# KiCad board tkl_keyboard.kicad_pcb (continued)
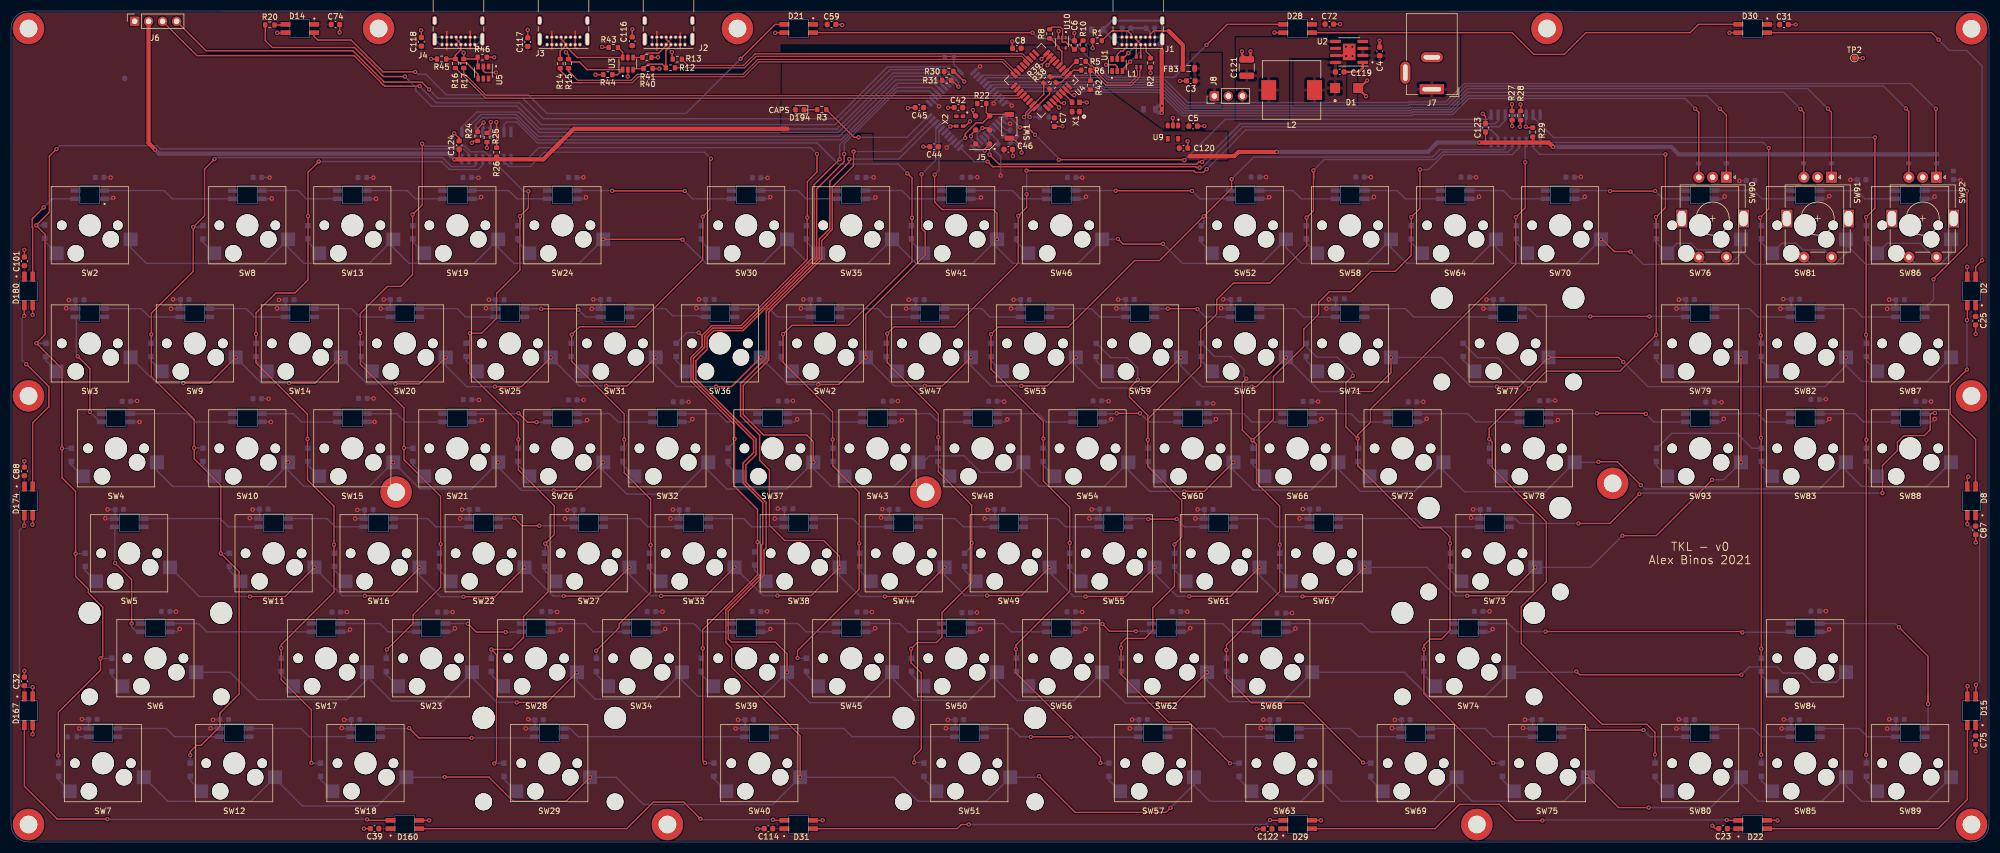
[diagram p0: board, top side]
## Routing (per net, layer and track width the routed paths; a pad name or vN(x,y) marks a point on that pad's centre or on a via; arc(x,y) is an arc through that point) (continued)
Net-(D156-Pad2): length 14.5
  Top w0.254: v1(197.97,39.57) 199.29,38.25 v1(204.01,38.25)
  Bottom w0.254: v1(197.97,39.57) 197.9,39.64 D156.2 ; v1(204.01,38.25) 206.85,38.25 D163.4
Net-(D157-Pad4): length 14.5
  Bottom w0.25: D164.2 197.49,95.29 195.99,96.79 D157.4
Net-(D158-Pad4): length 14.5
  Top w0.254: v1(211.44,58.62) 211.41,58.59 v1(206.28,58.59)
  Bottom w0.254: D165.2 212.87,57.19 v1(211.44,58.62) ; v1(206.28,58.59) 206.18,58.69 202.62,58.69
Net-(D159-Pad4): length 19.2
  Bottom w0.25: D166.2 219.84,19.09 218.34,20.59 D159.4
Net-(D160-Pad2): length 80.1
  Top w0.254: D160.2 64.77,3.93 v1(64.59,4.1) ; v1(17.5,4.15) 8.38,4.15 2.43,10.11 D167.4
  Bottom w0.254: v1(64.59,4.1) 17.55,4.1 v1(17.5,4.15)
Net-(D160-Pad4): length 69.6
  Top w0.254: v1(125.05,4.2) 122.01,7.25 116.5,7.25 111.68,2.43 D160.4 ; 140.27,3.93 138.31,3.93 v1(138.21,4.03)
  Bottom w0.254: v1(138.21,4.03) 125.23,4.03 v1(125.05,4.2)
Net-(D161-Pad2): length 14.5
  Bottom w0.25: D161.2 251.41,118.22 252.91,116.72 D168.4
Net-(D162-Pad2): length 14.5
  Bottom w0.25: D169.4 225.07,76.24 223.57,77.74 D162.2
Net-(D163-Pad2): length 14.5
  Bottom w0.25: D170.4 221.29,38.14 219.79,39.64 D163.2
Net-(D164-Pad4): length 14.5
  Top w0.254: v1(215.2,96.71) 215.11,96.8 v1(209.81,96.8)
  Bottom w0.254: v1(209.81,96.8) 209.8,96.79 D164.4 ; v1(215.2,96.71) 216.62,95.29 D171.2
Net-(D165-Pad4): length 14.5
  Bottom w0.25: D172.2 229.48,57.19 227.98,58.69 D165.4
Net-(D166-Pad4): length 19.2
  Bottom w0.25: D173.2 244.4,19.09 242.9,20.59 D166.4
Net-(D167-Pad2): length 35.3
  Top w0.25: v2(2.4,57.43) 2.4,59.28 D174.4 ; v2(3.93,28.09) 3.93,28.09 D167.2
  Bottom w0.25: v2(3.93,28.09) 2.13,28.09 1.51,28.71 1.51,56.54 v2(2.4,57.43)
Net-(D168-Pad2): length 14.5
  Bottom w0.25: D168.2 270.64,118.22 272.14,116.72 D175.4
Net-(D169-Pad2): length 14.5
  Bottom w0.25: D169.2 243.03,77.74 244.53,76.24 D176.4
Net-(D170-Pad2): length 31.1
  Bottom w0.25: D177.4 246.51,38.14 245.01,39.64 D170.2
Net-(D171-Pad4): length 14.5
  Bottom w0.25: D171.4 232.94,96.79 234.44,95.29 D6.2
Net-(D172-Pad4): length 26.4
  Bottom w0.25: 240.72,58.69 254.75,58.69 256.25,57.19 D178.2
Net-(D173-Pad4): length 19.2
  Bottom w0.25: D173.4 267.36,20.59 268.86,19.09 D179.2
Net-(D174-Pad2): length 36.3
  Top w0.254: D174.2 3.93,76.05 6.86,78.99 6.86,82.66 2.8,86.71 v1(2.76,86.71) ; D180.4 2.38,97.37 v1(2.38,95.46)
  Bottom w0.254: v1(2.76,86.71) 1.99,87.49 1.99,95.07 v1(2.38,95.46)
Net-(D175-Pad2): length 20.9
  Top w0.254: v1(298.22,118.15) 298.18,118.12 v1(290.06,118.12)
  Bottom w0.254: v1(290.06,118.12) 289.95,118.22 D175.2 ; v1(298.22,118.15) 299.65,116.72 D181.4
Net-(D176-Pad2): length 19.2
  Bottom w0.25: 273.62,76.24 265.71,76.24 264.21,77.74 D176.2
Net-(D177-Pad2): length 56.6
  Top w0.25: v2(314.05,38.04) 313.89,38.2 v2(278.33,38.2)
  Bottom w0.25: D177.2 271.63,39.64 273.08,38.2 v2(278.33,38.2) ; v2(314.05,38.04) 322.74,38.04 D187.4
Net-(D178-Pad4): length 93.4
  Top w0.25: v2(339.45,63.32) 339.45,68.32 342.16,71.04 342.16,72.55 343.37,73.76 347.06,73.76 348.11,74.81 348.11,77.51 348.44,77.84 v2(348.97,77.84)
  Top w0.254: v1(295.38,63.18) 290.01,57.81 v1(284.32,57.81)
  Bottom w0.25: v2(339.45,63.32) 295.22,63.32 ; D190.2 348.87,77.74 v2(348.97,77.84)
  Bottom w0.254: D178.4 272.82,58.69 273.7,57.81 v1(284.32,57.81)
Net-(D179-Pad4): length 23.2
  Top w0.254: v1(296.1,20.31) 286.03,20.31 v1(285.75,20.59)
  Bottom w0.254: D184.2 297.31,19.09 v1(296.1,20.31) ; v1(285.75,20.59) 285.75,20.59 D179.4
Net-(D181-Pad2): length 14.5
  Bottom w0.25: D181.2 316.13,118.22 317.63,116.72 D185.4
Net-(D182-Pad2): length 25.6
  Top w0.254: v1(287.67,77.81) 296.41,77.81 v1(296.53,77.69)
  Bottom w0.254: v1(287.67,77.81) 287.6,77.74 D182.2 ; v1(296.53,77.69) 297.98,76.24 D193.4
Net-(D183-Pad4): length 14.5
  Bottom w0.25: D19.2 316.84,95.29 315.34,96.79 D183.4
Net-(D184-Pad4): length 14.5
  Bottom w0.25: D184.4 315.98,20.59 317.48,19.09 D188.2
Net-(D185-Pad2): length 14.5
  Bottom w0.25: D185.2 334.77,118.22 336.27,116.72 D189.4
Net-(D186-Pad2): length 14.5
  Bottom w0.25: D190.4 335.99,76.24 334.49,77.74 D186.2
Net-(D186-Pad4): length 14.5
  Bottom w0.25: D193.2 316.79,77.74 318.29,76.24 D186.4
Net-(D187-Pad2): length 37.3
  Top w0.25: v2(342.44,38.98) 347.73,33.7 v2(347.73,25.04) 347.73,26.87
  Bottom w0.25: v2(347.73,25.04) 347.73,21.23 D191.4 ; D187.2 341.78,39.64 v2(342.44,38.98)
Net-(D188-Pad4): length 14.5
  Bottom w0.25: D191.2 336.75,19.09 335.25,20.59 D188.4
Net-(D189-Pad2): length 32.3
  Top w0.25: v1(348.72,102.13) 348.72,102.24 354.79,108.31 v1(354.79,118.18)
  Bottom w0.25: v1(354.79,118.18) 354.74,118.22 D189.2 ; D26.4 348.72,98.42 v1(348.72,102.13)
Net-(D192-Pad2): length 3
  Bottom w0.25: 300.05,66.68 298.45,68.28 D192.2
Net-(D194-Pad1): length 2.4
  Top w0.254: D194.1 146.2,132.89 R3.2
Net-(J1-PadA5): length 2.9
  Top w0.254: R2.2 206.69,142.69 205.9,143.47 205.9,144.57 J1.A5
Net-(J1-PadB5): length 6.9
  Top w0.254: J1.B5 203.21,146.56 202.55,147.22 199.65,147.22 R1.2
Net-(R8-Pad2): length 6.1
  Top w0.25: R8.2 188.51,145.85 190,144.36 U10.4 190.61,143.49 190.61,141.39 U4.4
Net-(R23-Pad1): length 3.1
  Bottom w0.254: U6.33 172.19,139.94 170.99,141.14 R23.1
Net-(R24-Pad1): length 3.9
  Top w0.254: R24.1 84.66,129.51 v1(85.73,130.58)
  Bottom w0.254: 85.62,128.84 85.73,128.94 v1(85.73,130.58)
Net-(R25-Pad1): length 4.2
  Top w0.254: v1(87.03,130.69) 87.03,129.38 R25.1
  Bottom w0.25: 86.9,128.84 86.89,128.84
  Bottom w0.254: 86.89,128.84 86.89,130.55 v1(87.03,130.69)
Net-(R26-Pad1): length 6.5
  Top w0.254: R26.1 88.09,130.6 v1(88.04,130.65)
  Bottom w0.254: v1(88.04,130.65) 88.04,128.97 88.16,128.84
Net-(R27-Pad1): length 3.1
  Top w0.254: R27.1 272.27,129.93 v1(272.28,129.92)
  Bottom w0.254: 272.3,131.91 272.28,131.89 v1(272.28,129.92)
Net-(R28-Pad1): length 3.4
  Top w0.254: v1(273.68,129.81) 273.83,129.96 R28.1
  Bottom w0.254: v1(273.68,129.81) 273.68,131.81 273.57,131.91
Net-(R29-Pad1): length 3.4
  Top w0.254: R29.1 274.93,129.66 v1(274.77,129.82)
  Bottom w0.254: 274.84,131.91 274.77,131.84 v1(274.77,129.82)
Net-(U4-Pad30): length 2.6
  Top w0.254: X1.3 192.45,134.34 U4.30
Net-(U6-Pad17): length 2.6
  Top w0.254: v1(170.39,129.87) 170.44,129.92 X2.3
  Bottom w0.254: v1(170.39,129.87) 170.38,129.87 U6.17

## Copper pours and planes (outline as drawn; the poured copper is in the pictures)
+3V3 on Top: 195.35,144.52 195.36,139.1 209.19,128.95 217.29,128.93 220.67,128.91 220.63,123.72 220.63,123.72 156.52,123.72 156.46,128.73 139.7,128.7 139.84,141.39 139.76,144.58
+5V on Top: 358.77,-0.01 0,0.02 0.03,150.82 358.8,150.79
+5V0_EXT on Top: 241.52,142.29 231.82,142.29 231.82,130.97 222.15,130.99 222.15,146.05 241.52,146.05
+5V0_USB on Top: 219.62,133.14 213.99,133.14 213.99,143.23 219.62,143.23
GND on Bottom: 358.77,-0.01 0,0.02 0.03,150.82 358.8,150.79
/Power/DCDC_IN on Top: 262.83,133.6 244.35,133.6 244.35,146.51 262.83,146.51
/Power/SW on Top: 242.18,133.6 232.61,133.6 232.61,141.95 242.18,141.95

## Text on the board
F.SilkS: CAPS | TKL - v0 / Alex Binos 2021
